# Altium PCB PCB1.PcbDoc (part 1 of 3)
Units mil, origin at the board's own origin, x right, y up, seen from the top; angles counter-clockwise.
Board outline 3150.03 x 1875.03 mil, 2 copper layers (Top Layer, Bottom Layer); 72 components, 86 nets, 315 pads, 165 vias.
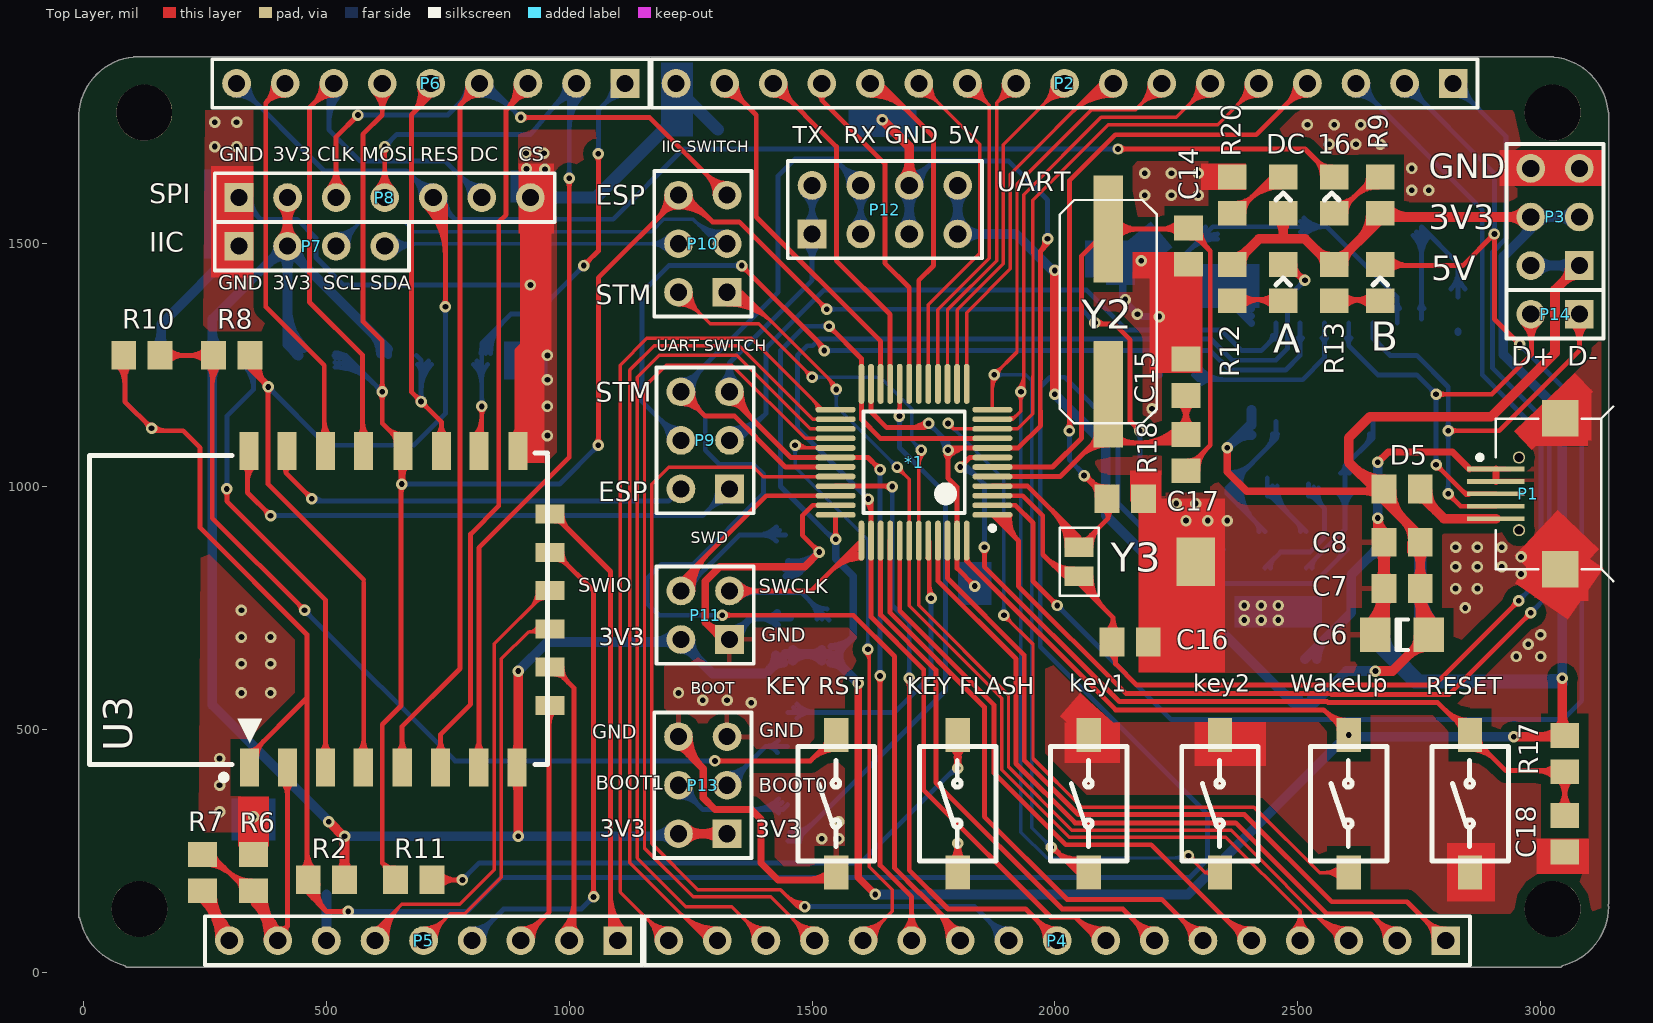
[diagram p0: Top Layer view]
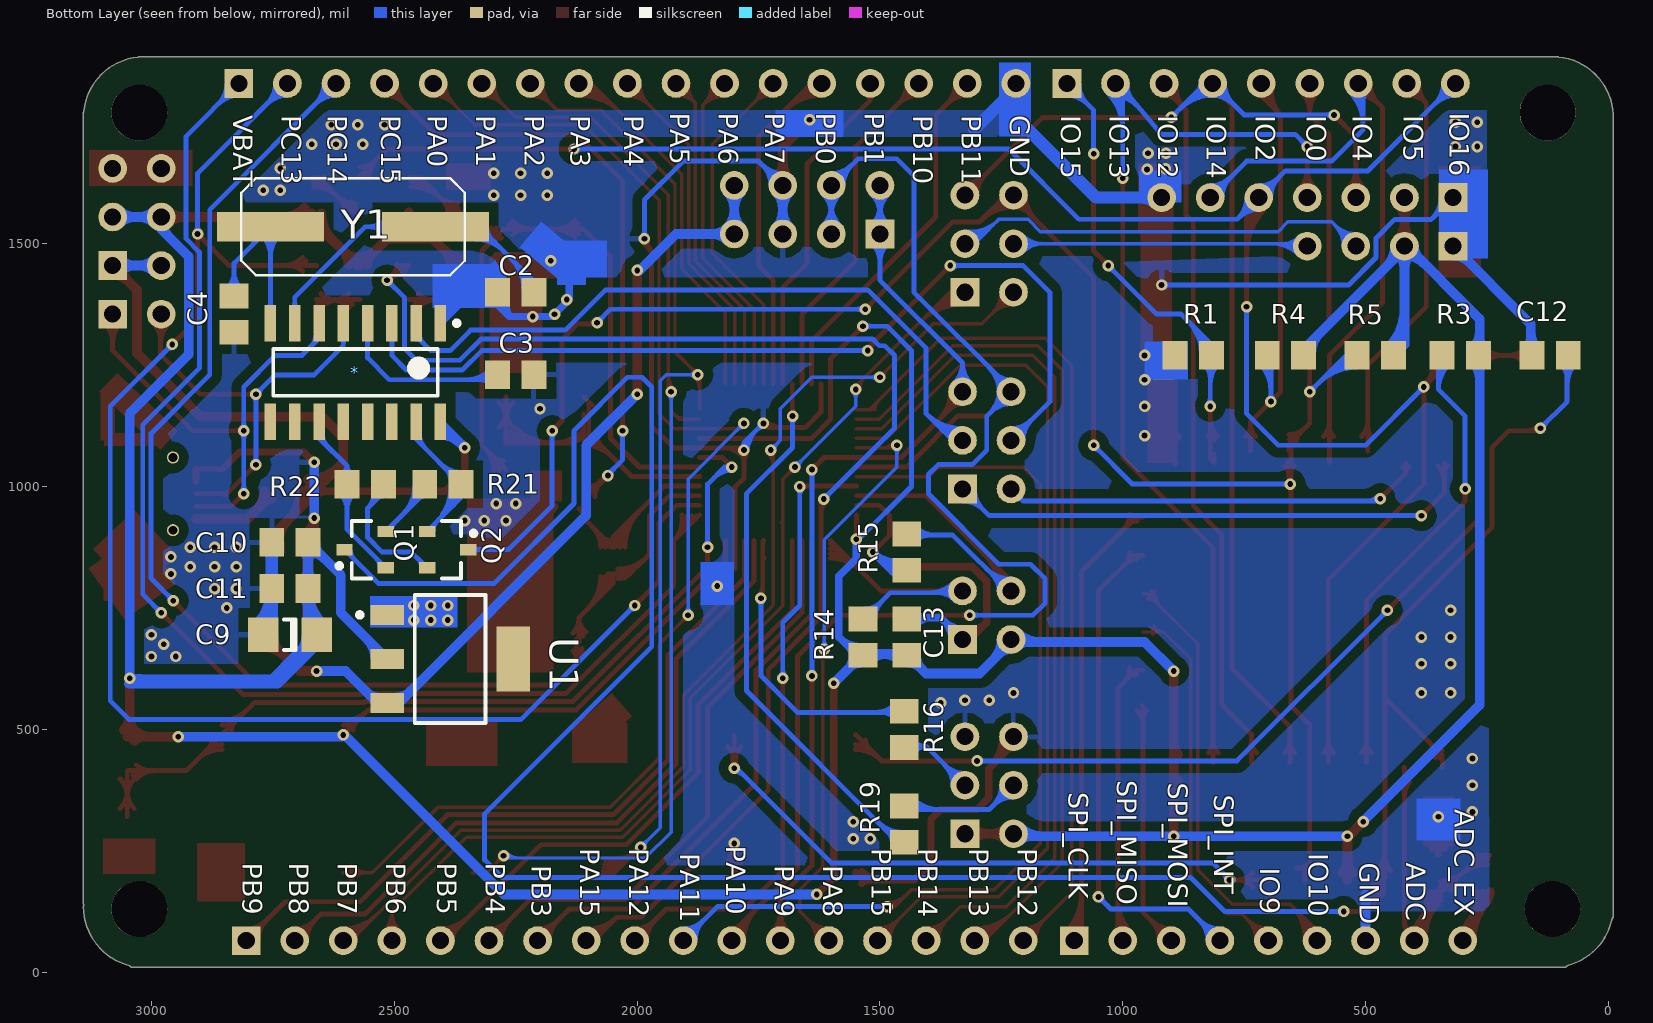
[diagram p1: Bottom Layer view, seen from below]

## Layer stack, top to bottom
Top Layer: signal copper 1.4
Dielectric: dielectric 12.6, FR-4, Dk 4.8
Bottom Layer: signal copper 1.4

## Board outline
85.19,13.59 cw(c115,135) -7.64,110.73 cw(c-5,115) -10.02,115 -10.02,1765 cw(c-5,1765) -9.86,1766.24 cw(c115,1760) 102.59,1884.4 cw(c105,1880) 105,1885.02 3025,1885.02 cw(c3025,1880) 3027.41,1884.4 cw(c3015,1760) 3139.4,1772.41 cw(c3135,1770) 3140.02,1770 3140.02,140 cw(c3135,140) 3139.35,137.5 cw(c3135,135) 3140.02,135 cw(c3015,135) 3044.81,13.59 cw(c3040,15) 3040,9.99 90,9.99 cw(c90,15)

## Design rules (kind name [scope] priority, off if disabled: settings)
Clearance Clearance_1 [InPolygon] p1: gap=20
Clearance [All] p2: gap=7
ComponentClearance [All] p1 off: gap=10 collisioncheckmode=3 verticalgap=10 showdistances=FALSE
PolygonConnect [All] p1: connectstyle=Relief reliefconductorwidth=10 reliefentries=4 polygonreliefangle="90 Angle"
RoutingVias [All] p1: holewidth=28 width=50 viastyle="Through Hole" minholewidth=28 minwidth=50 maxholewidth=28 maxwidth=50
SilkscreenOverComponentPads [All] p1: minsilkscreentomaskgap=10
SolderMaskExpansion [All] p1: expansion=4
Width VCC_USB [InNet('VCC_USB')] p1: maxlimit=100 minlimit=10 preferedwidth=20
Width 3v3 [InNet('VCC_3V3')] p2: maxlimit=20 minlimit=7 preferedwidth=15
Width VCC [InNet('VCC_5V')] p3: maxlimit=20 minlimit=7 preferedwidth=15
Width GND [InNet('GND')] p4: maxlimit=25 minlimit=10 preferedwidth=15
Width [All] p5: maxlimit=10 minlimit=7 preferedwidth=10
26 further rules are at their usual default settings.

## Components (designator, comment, footprint, x,y, rotation, side; value= is the part's Value field where it differs from the comment)
16 "BLUE" 2012[0805] 2575,1600 r90 top (schematic designator D3)
* "Component_1_1" SOIC127P600X170-16N 2580,1235 r270 bottom
*1 "stm32f103c8t6" LQFP-48_M 1710,1050 r180 top
A "LED0" 2012[0805] 2470,1420 r90 top
B "LED0" 2012[0805] 2670,1420 r90 top
C2 "Cap" 2012[0805] 2250,1400 r180 bottom
C3 "Cap Semi" 2012[0805] 2250,1230 r180 bottom
C4 "Cap" 2012[0805] 2830,1355 r90 bottom
C6 "Cap Semi" C1206 2715,695 r0 top
C7 "Cap Semi" 2012[0805] 2715,790 r0 top
C8 "Cap Semi" 2012[0805] 2715,885 r0 top
C9 "Cap Semi" C1206 2715,695 r0 bottom
C10 "Cap Semi" 2012[0805] 2715,885 r0 bottom
C11 "Cap Semi" 2012[0805] 2715,790 r0 bottom
C12 "100nF" 2012[0805] 120,1270 r0 bottom
C13 "Cap" 2012[0805] 1445,690 r270 bottom
C14 "Cap" 2012[0805] 2275,1495 r90 top
C15 "Cap" 2012[0805] 2270,1225 r270 top
C16 "Cap" 2012[0805] 2155,680 r180 top
C17 "Cap" 2012[0805] 2145,975 r180 top
C18 "Cap" 2012[0805] 3050,285 r90 top
D5 "1N4007" 2012[0805] 2715,995 r180 top
DC "LED0" 2012[0805] 2470,1600 r90 top (schematic designator D4)
key1 "SW-PB" KEY 2070,350 r270 top (schematic designator S3)
key2 "SW-PB" KEY 2340,350 r270 top (schematic designator S4)
"KEY FLASH" "KEY_RST/USER" KEY 1550,350 r270 top (schematic designator S1)
"KEY RST" "KEY_FLASH" KEY 1800,350 r270 top (schematic designator S2)
P1 "MicroUSB" Micro_USB 3035,985 r90 top
P2 "Header 17" HDR1X17 2820,1830 r180 top
P3 "Header 3X2" HDR2X3 3080,1455 r90 top
P4 "Header 17" HDR1X17 2805,65 r180 top
P5 "Header 9" HDR1X9 1100,65 r180 top
P6 "Header 9" HDR1X9 1115,1830 r180 top
P7 "Header 4" HDR1X4 320,1495 r0 top
P8 "Header 7" HDR1X7 320,1595 r0 top
P9 "Header 3X2" HDR2X3 1330,995 r90 top
P10 "Header 3X2" HDR2X3 1325,1400 r90 top
P11 "Header 2X2" HDR2X2 1330,685 r90 top
P12 "Header 4X2A" HDR2X4_CEN 1500,1520 r0 top
P13 "Header 3X2" HDR2X3 1325,285 r90 top
P14 "Header 2" HDR1X2 3080,1355 r180 top
Q1 "NPN" SOT23_L 2560,870 r0 bottom
Q2 "NPN" SOT23_L 2390,870 r180 bottom
R1 "12k" 2012[0805] 855,1270 r180 bottom
R2 "12k" 2012[0805] 500,190 r180 top
R3 "12k" 2012[0805] 305,1270 r0 bottom
R4 "12k" 2012[0805] 665,1270 r0 bottom
R5 "12k" 2012[0805] 480,1270 r0 bottom
R6 "100k(1%)" 2012[0805] 350,205 r270 top
R7 "220k(1%)" 2012[0805] 245,205 r270 top
R8 "0(NC)" 2012[0805] 305,1270 r0 top
R9 "470" 2012[0805] 2670,1600 r270 top
R10 "470" 2012[0805] 120,1270 r180 top
R11 "470" 2012[0805] 680,190 r180 top
R12 "Res2" 2012[0805] 2365,1420 r270 top
R13 "Res2" 2012[0805] 2575,1420 r270 top
R14 "Res2" 2012[0805] 1535,690 r90 bottom
R15 "Res2" 2012[0805] 1445,865 r90 bottom
R16 "Res2" 2012[0805] 1450,500 r270 bottom
R17 "Res2" 2012[0805] 3050,450 r270 top
R18 "Res2" 2012[0805] 2270,1070 r90 top
R19 "Res2" 2012[0805] 1450,305 r270 bottom
R20 "Res2" 2012[0805] 2365,1600 r90 top
R21 "Res2" 2012[0805] 2400,1005 r0 bottom
R22 "Res2" 2012[0805] 2560,1005 r180 bottom
RESET "SW-PB" KEY 2855,350 r270 top (schematic designator S6)
U1 "NCP1117ST33T3G" SOT-223 2385,645 r270 bottom
U3 "ESP_12_E" ESP_12F 125,735 r90 top
WakeUp "SW-PB" KEY 2605,350 r270 top (schematic designator S5)
Y1 "12MHZ" XTAL-HCM49 2485,1535 r0 bottom
Y2 "8MHz" XTAL-HCM49 2110,1460 r270 top
Y3 "32.768KHz" XTAL32-2 2050,815 r90 top

## Footprints (in the part's own frame and the unit in brackets; to place one, negate y for a bottom-side part, rotate by r counter-clockwise, add the part's x,y. Pads: shape width x height; smd on the part's side, far side on the other; paste and mask are expansions set on the pad)
2012[0805] [mm] "Chip Resistor; Body 2.0 x 1.3 mm (LxW typ)"
  rect 1.3x1.5 smd: 1(-0.95,0) 2(0.95,0)
C1206 [mm] "Chip Capacitor; Body 3.2 x 1.6 mm (LxW typ)"
  rect 1.6x1.8 smd: 1(-1.4,0) 2(1.4,0)
  silkscreen extent -0.3,-0.8 0.3,0.8
ESP_12F [mm]
  rect 2x1 smd: 1(-7.963,-5.512) 2(-7.963,-7.482) 3(-7.963,-9.482) 4(-7.963,-11.452) 5(-7.963,-13.492) 6(-7.963,-15.502) 7(-7.963,-17.492) 8(-7.963,-19.502) 15(8.583,-19.542) 16(8.583,-17.502) 17(8.583,-15.542) 18(8.583,-13.522) 19(8.583,-11.462) 20(8.583,-9.482) 21(8.583,-7.462) 22(8.583,-5.482)
  rect 1x1.524 smd: 9(-4.712,-21.222) 10(-2.713,-21.222) 11(-0.714,-21.222) 12(1.285,-21.222) 13(3.284,-21.222) 14(5.304,-21.222)
  silkscreen extent -8.63,-21.08 8.48,2.86
HDR1X2 [mm] "Connector; Header; 2 Position"
  rect 1.5x1.5 hole 0.9: 1(0,0)
  round 1.5 hole 0.9: 2(2.54,0)
  silkscreen extent -1.27,-1.27 3.81,1.27
HDR1X4 [mm] "Connector; Header; 4 Position"
  rect 1.5x1.5 hole 0.9: 1(0,0)
  round 1.5 hole 0.9: 2(2.54,0) 3(5.08,0) 4(7.62,0)
  silkscreen extent -1.27,-1.27 8.89,1.27
HDR1X7 [mm] "Connector; Header; 7 Position"
  rect 1.5x1.5 hole 0.9: 1(0,0)
  round 1.5 hole 0.9: 2(2.54,0) 3(5.08,0) 4(7.62,0) 5(10.16,0) 6(12.7,0) 7(15.24,0)
  silkscreen extent -1.27,-1.27 16.51,1.27
HDR1X9 [mm] "Connector; Header; 9 Position"
  rect 1.5x1.5 hole 0.9: 1(0,0)
  round 1.5 hole 0.9: 2(2.54,0) 3(5.08,0) 4(7.62,0) 5(10.16,0) 6(12.7,0) 7(15.24,0) 8(17.78,0) 9(20.32,0)
  silkscreen extent -1.27,-1.27 21.59,1.27
HDR1X17 [mm] "Connector; Header; 17 Position"
  rect 1.5x1.5 hole 0.9: 1(0,0)
  round 1.5 hole 0.9: 2(2.54,0) 3(5.08,0) 4(7.62,0) 5(10.16,0) 6(12.7,0) 7(15.24,0) 8(17.78,0) 9(20.32,0) 10(22.86,0) 11(25.4,0) 12(27.94,0) 13(30.48,0) 14(33.02,0) 15(35.56,0) 16(38.1,0) 17(40.64,0)
  silkscreen extent -1.27,-1.27 41.91,1.27
HDR2X2 [mm] "Connector; Header; 2x2 Position"
  rect 1.5x1.5 hole 0.9: 1(0,0)
  round 1.5 hole 0.9: 2(0,2.54) 3(2.54,0) 4(2.54,2.54)
  silkscreen extent -1.27,-1.27 3.81,3.81
HDR2X3 [mm] "Connector; Header; 3x2 Position"
  rect 1.5x1.5 hole 0.9: 1(0,0)
  round 1.5 hole 0.9: 2(0,2.54) 3(2.54,0) 4(2.54,2.54) 5(5.08,0) 6(5.08,2.54)
  silkscreen extent -1.27,-1.27 6.35,3.81
HDR2X4_CEN [mm] "Connector; Header; 4x2 Position"
  rect 1.5x1.5 hole 0.9: 1(0,0)
  round 1.5 hole 0.9: 2(2.54,0) 3(5.08,0) 4(7.62,0) 5(0,2.54) 6(2.54,2.54) 7(5.08,2.54) 8(7.62,2.54)
  silkscreen extent -1.27,-1.27 8.89,3.81
KEY [mil]
  rect 70x50 smd: 1(-138.46,0) 2(145,0)
  silkscreen extent -115,-79 121,79
LQFP-48_M [mm] "Thin QFP, 48-Leads, Body 7x7mm, Pitch 0.5mm, IPC Low Density"
  oval 2.1x0.3 smd: 1(-4.1,2.75) 2(-4.1,2.25) 3(-4.1,1.75) 4(-4.1,1.25) 5(-4.1,0.75) 6(-4.1,0.25) 7(-4.1,-0.25) 8(-4.1,-0.75) 9(-4.1,-1.25) 10(-4.1,-1.75) 11(-4.1,-2.25) 12(-4.1,-2.75) 25(4.1,-2.75) 26(4.1,-2.25) 27(4.1,-1.75) 28(4.1,-1.25) 29(4.1,-0.75) 30(4.1,-0.25) 31(4.1,0.25) 32(4.1,0.75) 33(4.1,1.25) 34(4.1,1.75) 35(4.1,2.25) 36(4.1,2.75)
  oval 0.3x2.1 smd: 13(-2.75,-4.1) 14(-2.25,-4.1) 15(-1.75,-4.1) 16(-1.25,-4.1) 17(-0.75,-4.1) 18(-0.25,-4.1) 19(0.25,-4.1) 20(0.75,-4.1) 21(1.25,-4.1) 22(1.75,-4.1) 23(2.25,-4.1) 24(2.75,-4.1) 37(2.75,4.1) 38(2.25,4.1) 39(1.75,4.1) 40(1.25,4.1) 41(0.75,4.1) 42(0.25,4.1) 43(-0.25,4.1) 44(-0.75,4.1) 45(-1.25,4.1) 46(-1.75,4.1) 47(-2.25,4.1) 48(-2.75,4.1)
  silkscreen extent -4.23,-2.65 2.65,3.57, body extent -3.5,-3.5 3.5,3.5, height 1.6
Micro_USB [mm] "5P Мщ?"
  rect 0.25x3 smd: 1(1.3,3.222) 2(0.65,3.222) 3(0,3.222) 4(-0.65,3.222) 5(-1.3,3.222)
  round 0.635 hole 0.457 unplated: MH1(1.9,2.014) MH2(-1.9,2.014)
  rect 1.9x1.9 smd: ""(-3.95,-0.136) ""(3.95,-0.136)
  silkscreen extent -4.57,-2.92 4.57,4.19
SOIC127P600X170-16N [mm] "SOIC, 16-Leads, Body 8.6x4.0mm (max), Pitch 1.27mm, IPC Medium Density"
  rect 1.9x0.6 smd: 1(-2.575,4.445) 2(-2.575,3.175) 3(-2.575,1.905) 4(-2.575,0.635) 5(-2.575,-0.635) 6(-2.575,-1.905) 7(-2.575,-3.175) 8(-2.575,-4.445) 9(2.575,-4.445) 10(2.575,-3.175) 11(2.575,-1.905) 12(2.575,-0.635) 13(2.575,0.635) 14(2.575,1.905) 15(2.575,3.175) 16(2.575,4.445)
  silkscreen extent -2.7,-4.3 1.22,5.42, body extent -1.98,-4.28 1.97,4.28, height 1.7
SOT23_L [mm] "SOT23, 3-Leads, Body 2.9x1.3mm, Pitch 0.95mm, Lead Span 2.3mm - Reverse Pinning, IPC High Density"
  rect 0.85x0.6 smd: 1(1.075,0) 2(-1.075,-0.95) 3(-1.075,0.95)
  silkscreen extent -0.3,-1.5 1.48,1.5, body extent -0.7,-1.5 0.7,1.5, height 1.1
SOT-223 [mm] "SOT-223/SC-73; 4 Leads; Body 6.7 x 7.3 mm, inc. leads (LxW max)"
  rect 1.05x1.75 smd: 1(-2.3,-3.3) 2(0,-3.3) 3(2.3,-3.3)
  rect 3.4x1.75 smd: 4(0,3.3)
  silkscreen extent -3.35,-4.85 3.35,1.85
XTAL32-2 [mil]
  rect 100x80 smd: 0(30,-240)
  rect 40x60 smd: 1(0,0) 2(60,0)
  silkscreen extent -40,-40 100,40
XTAL-HCM49 [mil]
  rect 220x60 smd: 1(-70,0) 2(270,0)
  silkscreen extent -130,-100 330,100, body extent -184,-102 384,102

## Part data
16: library part SMT_LED_0603, "SMT LED"
A B DC: "Typical INFRARED GaAs LED"
C2 C4 C13 C14 C15 C16 C17 C18: "Capacitor"
C3 C6 C7 C8 C9 C10 C11: "Capacitor (Semiconductor SIM Model)"
C12: library part SMT_C_0402, "Surface mount capacitor 0402"
D5: "1.0 Ampere General Purpose Rectifier"
key1 key2 RESET WakeUp: "Switch"
"KEY FLASH" "KEY RST": library part SMT_SW_PTS_820, "SMT Tactile ?Switch PTS 820 Series"
P1: library part "Header 5", "Header, 5-Pin"
P2 P4: "Header, 17-Pin"
P3 P9 P10 P13: "Header, 3-Pin, Dual row"
P5 P6: "Header, 9-Pin"
P7: "Header, 4-Pin"
P8: "Header, 7-Pin"
P11: "Header, 2-Pin, Dual row"
P12: "Header, 4-Pin, Dual row"
P14: "Header, 2-Pin"
Q1 Q2: "NPN Bipolar Transistor"
R1 R2 R3 R4 R5 R6 R7 R8 R9 R10 R11: library part SMT_R_0402, "Surface mount resistor 0402"
R12 R13 R14 R15 R16 R17 R18 R19 R20 R21 R22: "Resistor"
U1: library part NCP1117, "NCP1117, NCV1117. 1.0 A Low-Dropout Positive  Fixed and Adjustable  Voltage Regulators"
U3: "ESP-12 Wi-Fi Module by AI-Thinker"
Y1 Y2 Y3: library part XTAL, "Crystal Oscillator"

## Free pads (board coordinates)
  round 115 hole 115 unplated mask-300: 0(125,1770) 1(115,130) 2(3025,1770) 3(3025,130)

## Via types
v1: diameter 23.62, hole 11.81, Top Layer to Bottom Layer, tented both sides, 165 vias

## Nets (pads, with @x,y where several pads share a name; then routed paths per layer and width w, separated by ;. In a path a pad name is that pad's centre, name@x,y a point inside that pad or via, vN(x,y) a via of type N, cw(c..) or ccw(c..) an arc to the next point about the centre after c; other vN are vias at no path point)
ADC: P5.8 R6.2 R7.1 U3.2 | length 1565.1
  Top Layer w10: R7.1@245,240 265,240 335,170 350,170 350,140 ; R7.1@248.94,221.81 cw(c248.94,139.12) 307.41,197.59 ; R7.1@248.94,231.81 cw(c248.94,173.26) 290.34,214.66 ; R7.1@248.94,241.81 cw(c248.94,207.4) R7.1@273.27,231.73 ; R7.1@269.53,242.4 ccw(c286.26,242.4) R7.1@274.43,230.57 ; 296.13,208.87 ccw(c346.06,258.81) R6.2@346.06,188.19 ; 313.2,191.8 ccw(c346.06,224.67) R6.2@346.06,178.19 ; 317.04,187.96 cw(c296.67,167.6) R6.2@325.47,167.6 ; R6.2@344.14,147.86 cw(c341.8,140) 350,140 ; R6.2@344.57,168.52 ccw(c388.99,164.13) 357.43,132.57 ; R6.2@354.52,167.54 ccw(c416.19,161.44) 372.37,117.63 ; R6.2@355.86,147.86 ccw(c358.2,140) 350,140 ; R6.2@364.48,166.56 ccw(c443.39,158.75) 387.32,102.68 ; 364.81,125.19 cw(c313.76,74.14) P5.8@385.55,66.53 ; R6.2@374.43,165.57 ccw(c470.58,156.06) P5.8@402.26,87.74 ; P5.8@375.61,67.59 ccw(c286.99,76.98) 350,140 ; 379.62,110.38 cw(c340.54,71.3) P5.8@395.5,65.48 ; P5.8@381.68,81.31 ccw(c360.78,99.92) 384.16,115.28 ; P5.8@385,65 P5.8@400,65 P5.8@405,65 ; P5.8@389.15,74.66 ccw(c370.86,90.94) 391.32,104.39 ; 394.43,95.57 cw(c367.32,68.46) P5.8@405.44,64.42 ; P5.8@403.57,89.27 ccw(c406.3,107.82) 419.56,94.56 ; U3.2@409.18,391.43 cw(c384.11,366.36) 419.56,366.36 cw(c455.01,366.36) U3.2@429.94,391.43 ; P5.8@418.9,80.63 cw(c426.88,87.23) 419.56,94.56 ; U3.2@419.56,421.5 419.56,94.56 ; 350,140 P5.8@402.26,87.74 ; P5.8@402.26,87.74 402.26,67.49 P5.8@405,65 ; P5.8@405,65 405,80 419.56,94.56
ADC_EX: P5.9 R7.2 | length 677.3
  Top Layer w10: R7.2@239.53,167.89 ccw(c278.59,166.67) 250.96,139.04 ; R7.2@245,170 R7.2@245,145 ; R7.2@249.53,167.58 ccw(c310.29,165.69) 267.3,122.7 ; R7.2@259.52,167.27 ccw(c342,164.7) 283.65,106.35 ; 261,129 cw(c201.64,69.65) P5.9@285.49,65.69 ; R7.2@269.52,166.96 ccw(c373.7,163.71) P5.9@300,90 ; P5.9@275.5,66.16 ccw(c171.1,71.09) R7.2@245,145 ; 276.99,113.01 cw(c232.18,68.2) P5.9@295.48,65.21 ; P5.9@280.97,80.47 ccw(c258.47,98.76) 282.22,115.39 ; P5.9@288.73,74.16 ccw(c269.15,90.08) 289.82,104.54 ; 292.98,97.02 cw(c262.72,66.76) P5.9@305.47,64.74 ; P5.9@300,65 P5.9@300,90 ; R7.2@245,145 P5.9@300,90
BOOT0: *1.44 R16.1 | length 780.9
  Top Layer w10: *1.44@1738.89,852.51 cw(c1733.05,846.67) 1741.31,846.67 ; *1.44@1739.53,888.58 1741.31,886.8 1741.31,775 v1@1745,775 ; v1@1740,770 v1@1745,775 ; 1741.31,795.36 ccw(c1770.36,795.36) v1@1749.82,774.82 ; v1(1745,770) v1@1745,775
  Bottom Layer w10: R16.1@1450,535 1670,535 1745,610 v1@1745,775 ; R16.1@1461.43,544.89 ccw(c1485.3,568.77) 1485.3,535 ; R16.1@1468.5,522.84 cw(c1497.85,493.49) 1497.85,535 ; R16.1@1468.5,551.96 ccw(c1509.44,592.91) 1509.44,535 ; v1@1740.18,765.18 cw(c1728.56,753.56) 1745,753.56 cw(c1761.44,753.56) v1@1749.82,765.18
BOOT1: *1.20 R19.2 | length 1300.6
  Top Layer w10: v1@1675.18,1149.82 ccw(c1662.42,1162.58) 1680.47,1162.58 ; v1(1680,1145) 1680,1140 1680.47,1140.47 *1.20@1680.47,1211.42 ; 1680.47,1160.3 ccw(c1695.3,1160.3) v1@1684.82,1149.82
  Bottom Layer w10: R19.2@1450,270 1465,270 1775,580 1775,985 1680,1080 v1(1680,1145) ; R19.2@1453.94,278.19 ccw(c1453.94,324.67) 1486.8,291.8 ; R19.2@1453.94,288.19 ccw(c1453.94,358.81) 1503.87,308.87 ; R19.2@1474.53,267.6 cw(c1503.33,267.6) 1482.96,287.96 ; v1@1675.18,1140.18 cw(c1663.56,1128.56) 1680,1128.56 cw(c1696.44,1128.56) v1@1684.82,1140.18
EN: R3.2 U3.3 | length 1174.2
  Top Layer w10: v1@290.18,990.18 cw(c278.56,978.56) 295,978.56 cw(c311.44,978.56) v1@299.82,990.18 ; v1(295,995) 295,970 498,767 U3.3@498,432 ; U3.3@487.92,451.57 ccw(c463.57,475.92) 498,475.92 ; 498,477.36 ccw(c534.47,477.36) U3.3@508.68,451.57
  Bottom Layer w10: v1@290.18,999.82 ccw(c278.56,1011.44) 295,1011.44 ccw(c311.44,1011.44) v1@299.82,999.82 ; v1(295,995) 295,1145 350,1200 350,1255 R3.2@335,1270 ; R3.2@328.08,1251.26 cw(c278.07,1199.57) 350,1199.57 ; R3.2@335.04,1258.45 cw(c300.89,1223.16) 350,1223.16 ; 350,1234.7 cw(c373.77,1234.7) R3.2@356.96,1251.5
GND: "KEY FLASH.2" "KEY RST.2" *1.8 *1.23 *1.35 *1.47 *.1 C2.1 C3.2 C4.1 C6.1 C7.1 C8.1 C9.2 C10.2 C11.2 C12.2 C13.1 C14.1 C15.1 C16.1 C17.1 C18.1 key1.1 key2.1 P1. P1.1 P1.2 P2.17 P3.5 P3.6 P5.7 P7.1 P8.1 P8.7 P11.1 P12.3 P12.7 P13.5 P13.6 R1.1 R6.1 R15.1 R20.2 RESET.2 U1.1 U3.15 Y3.0 | length 11842.2
  Top Layer w10: v1(1515,865) 1480,900 1480,940 1501.42,961.42 *1.35@1548.58,961.42 ; *1.23@1621.42,1211.42 1621.42,1153.58 1653.81,1121.19 1731.19,1121.19 ; v1(1740,1130) 1731.19,1121.19 ; v1@1775.18,1065.18 cw(c1763.56,1053.56) 1780,1053.56 cw(c1796.44,1053.56) 1784.82,1065.18 cw(c1819.44,1030.56) 1819.44,1079.53 ; v1@1777.29,1073.32 ccw(c1786.78,1079.22) 1792.36,1069.54 ; v1@1777.75,1072.25 cw(c1795.3,1054.7) 1795.3,1079.53 ; v1@1782.32,1076.4 ccw(c1788.66,1093.95) 1797.99,1077.79 ; v1@1785.62,1078.85 ccw(c1791.97,1083.22) 1795.83,1076.54 ; v1@1785.78,1078.6 ccw(c1795.56,1084.68) 1801.32,1074.71 ; v1(1835,795) 1798.58,831.42 *1.47@1798.58,888.58 1798.58,998.8 1780,1017.38 v1(1780,1075) 1784.53,1079.53 *1.8@1871.42,1079.53 1924.53,1079.53 1970.5,1125.5 1970.5,1155.83 1970,1156.33 1970,1221.11 1970.5,1221.61 1970.5,1485 ; v1@1978.27,1508.93 cw(c1950.91,1504.59) 1970.5,1485 ; v1@1985,1505 1985,1499.5 1970.5,1485 ; P1.1@2853.82,1036.18 P1.1@2908.15,1036.18 ; 1503.37,876.63 cw(c1491.75,865) v1@1508.19,865 ; 1503.37,876.63 ccw(c1515,888.25) v1@1515,871.81 ; 1503.37,876.63 ccw(c1515,888.25) v1@1515,871.81 ; 1503.37,876.63 cw(c1491.75,865) v1@1508.19,865 ; 1503.37,876.63 ccw(c1515,888.25) v1@1515,871.81 ; 1503.37,876.63 cw(c1491.75,865) v1@1508.19,865 ; 1702.29,1121.19 ccw(c1702.29,1167.71) v1@1735.18,1134.82 ; 1702.29,1121.19 ccw(c1702.29,1167.71) v1@1735.18,1134.82 ; 1702.29,1121.19 ccw(c1702.29,1167.71) v1@1735.18,1134.82 ; 1717.62,1124.67 cw(c1726.63,1109.06) v1@1736.34,1124.26 ; 1717.62,1124.67 cw(c1726.63,1109.06) v1@1736.34,1124.26 ; 1717.62,1124.67 cw(c1726.63,1109.06) v1@1736.34,1124.26 ; 1726.43,1121.19 ccw(c1726.43,1143.57) v1@1742.25,1127.75 ; 1726.43,1121.19 ccw(c1726.43,1143.57) v1@1742.25,1127.75 ; 1726.43,1121.19 ccw(c1726.43,1143.57) v1@1742.25,1127.75 ; 1731.19,1121.19 cw(c1736.84,1115.54) v1@1738.55,1123.35 ; 1731.19,1121.19 ccw(c1725.54,1126.84) v1@1733.35,1128.55 ; 1731.19,1121.19 ccw(c1725.54,1126.84) v1@1733.35,1128.55 ; 1731.19,1121.19 cw(c1736.84,1115.54) v1@1738.55,1123.35 ; 1731.19,1121.19 ccw(c1725.54,1126.84) v1@1733.35,1128.55 ; 1731.19,1121.19 cw(c1736.84,1115.54) v1@1738.55,1123.35 ; 1780,1058.56 ccw(c1763.56,1058.56) 1775.18,1070.18 cw(c1763.56,1058.56) 1780,1058.56 ; 1780,1058.56 cw(c1796.44,1058.56) v1@1784.82,1070.18 ; 1780,1058.56 cw(c1796.44,1058.56) v1@1784.82,1070.18 ; v1@1784.82,1070.18 cw(c1807.37,1047.63) 1807.37,1079.53 ccw(c1807.37,1047.63) v1@1784.82,1070.18 ; 1823.37,806.63 ccw(c1835,818.25) 1835,801.81 cw(c1835,818.25) 1823.37,806.63 ; 1823.37,806.63 cw(c1811.75,795) 1828.19,795 ccw(c1811.75,795) 1823.37,806.63 ; 1970.5,1485 ccw(c1951.87,1503.63) 1978.19,1504.72 cw(c1951.87,1503.63) 1970.5,1485
  Top Layer w15: R6.1@337.21,255.19 ccw(c306.33,286.08) 350,286.08 ccw(c393.67,286.08) R6.1@362.79,255.19 ; R6.1@350,242.4 v1(350,320) ; U3.15@885.75,1101.22 ccw(c863.4,1123.56) 895,1123.56 ; U3.15@892.5,1049 895,1051.5 895,1280 925,1310 925,1590 P8.7@920,1595 ; 895,1120.48 ccw(c922.24,1120.48) U3.15@902.98,1101.22 ; P8.7@904.42,1579.42 cw(c854.75,1529.75) 925,1529.75 ; v1@916.95,1411.95 cw(c897.52,1392.52) 925,1392.52 ; v1@916.95,1418.05 ccw(c897.52,1437.48) 925,1437.48 ; 925,1553.89 cw(c961.11,1553.89) P8.7@935.58,1579.42 ; P13.6@1225,462.97 cw(c1225,446.01) 1237,458 ; P13.6@1225,485 1225,470 1276.1,418.9 1276.1,358.9 1300,335 1375,335 1395,315 1395,225 1430,190 1535,190 1550,205 ; P13.6@1232.03,485 ccw(c1285.21,485) 1247.6,447.4 ; P13.6@1247.03,485 ccw(c1336.42,485) 1273.21,421.79 ; 1299.54,700.46 ccw(c1321.95,722.88) P11.1@1328.54,691.87 ; P11.1@1303,697 cw(c1291.01,685) P11.1@1307.97,685 ; P11.1@1325,680 P11.1@1330,685 1315,685 1280,720 ; P11.1@1325.42,706.55 cw(c1315.1,755.1) 1280,720 ; 1495.68,190 ccw(c1495.68,249.32) 1537.63,207.37 ; v1(1515,865) 1485,835 1310,835 1280,805 1280,720 ; 1519.82,190 cw(c1519.82,164.82) 1537.63,182.63 ; 1787.63,227.37 ccw(c1757.75,257.25) 1800,257.25 ccw(c1842.25,257.25) 1812.37,227.37 ; 1800,205 v1(1800,265) ; C17.1@2169.61,958.27 cw(c2114.59,903.25) 2192.4,903.25 ; C17.1@2170,987.4 C17.1@2180,977.4 ; C16.1@2179.61,696.73 ccw(c2148.73,727.61) 2192.4,727.61 ccw(c2236.08,727.61) C16.1@2205.19,696.73 ; C17.1@2180,995 C17.1@2180,977.4 ; C17.1@2180.22,968.88 cw(c2150.8,939.46) 2192.4,939.46 ; C17.1@2182.4,975 C17.1@2180,977.4 ; C17.1@2190,987.4 C17.1@2180,977.4 ; 2190.01,1475 2290,1475 C14.1@2270,1455 ; C16.1@2192.4,680 2192.4,957.6 C17.1@2186.2,963.8 ; 2195,1475 cw(c2195,1393.85) C14.1@2257.2,1445.98 ; C17.1@2200,977.6 C17.1@2186.2,963.8 ; 2227.15,1475 cw(c2227.15,1420.79) C14.1@2268.69,1455.61 ; C15.1@2257.21,1275.19 ccw(c2226.33,1306.08) 2270,1306.08 ; C14.1@2258.27,1444.81 cw(c2229.95,1416.49) 2270,1416.49 2270,1306.08 ; C15.1@2270,1260 C15.1@2270,1262.4 ; 2270,1411.36 cw(c2317.3,1411.36) C14.1@2283.85,1444.81 ; C15.1@2282.79,1275.19 cw(c2313.67,1306.08) 2270,1306.08 ; C8.1@2665,897.6 C8.1@2677.6,885 ; v1(2665,1050) 2686.31,1071.31 2818.69,1071.31 P1.1@2853.82,1036.18 ; P1.2@2908.15,1010.59 P1.1@2908.15,1036.18 ; C17.1@2180,977.4 2180,970 C17.1@2186.2,963.8
  Top Layer w20: v1@1642.5,1757.5 v1(1645,1755) 1700,1700 P12.7@1700,1620 ; P12.7@1686.19,1633.81 ccw(c1652.86,1667.14) 1700,1667.14 ccw(c1747.14,1667.14) P12.7@1713.81,1633.81 ; C8.1@2665,897.6 v1(2665,935) ccw(c2701.14,935) C8.1@2684.69,902.82
  Top Layer w25: P7.1@307.96,1507.04 ccw(c278.89,1536.11) 320,1536.11 ccw(c361.11,1536.11) P7.1@332.04,1507.04 ; P8.1@307.96,1582.96 cw(c278.89,1553.89) 320,1553.89 cw(c361.11,1553.89) P8.1@332.04,1582.96 ; P7.1@320,1495 P8.1@320,1595 ; C6.1@2646.45,712.37 ccw(c2571.25,787.57) C7.1@2677.6,787.57 ; C6.1@2659.88,695 2677.6,712.72 C7.1@2677.6,790 C8.1@2677.6,885 ; C6.1@2664.13,694.69 ccw(c2631.61,727.21) C6.1@2677.6,727.21 ; C7.1@2668.34,776.81 cw(c2646,754.46) 2677.6,754.46 cw(c2709.2,754.46) C7.1@2686.85,776.81 ; C7.1@2668.34,803.19 ccw(c2646,825.54) 2677.6,825.54 ccw(c2709.2,825.54) C7.1@2686.85,803.19 ; C8.1@2668.34,871.81 cw(c2646,849.46) 2677.6,849.46 cw(c2709.2,849.46) C8.1@2686.85,871.81
  Bottom Layer w10: P8.1@320,1570.47 cw(c320,1511.26) 361.87,1553.13 cw(c403.74,1595) P8.1@344.53,1595 ; P8.1@320,1580.47 cw(c320,1545.4) 344.8,1570.2 cw(c369.6,1595) P8.1@334.53,1595 ; P8.1@320,1595 365,1550 440,1550 478.47,1511.53 478.47,1471.53 535,1415 v1(920,1415) v1@925,1415 ; v1@915.18,1410.18 ccw(c903.56,1398.56) 903.56,1415 ccw(c903.56,1431.44) v1@915.18,1419.82 ; v1@920.18,1410.18 ccw(c908.56,1398.56) 908.56,1415 ccw(c908.56,1431.44) v1@920.18,1419.82 ; P12.7@1700,1620 1750,1670 1905,1670 1985,1590 v1(1985,1510) v1@1985,1505 ; P12.7@1700,1634.53 ccw(c1700,1669.6) 1724.8,1644.8 ccw(c1749.6,1620) P12.7@1714.53,1620 ; P12.7@1700,1644.53 ccw(c1700,1703.74) 1741.87,1661.87 ccw(c1783.74,1620) P12.7@1724.53,1620 ; v1(1740,1130) 1780,1090 ; 1765.28,1104.52 ccw(c1802.86,1114.59) v1@1783.41,1080.9 ; 1767.34,1096.84 ccw(c1800.65,1105.76) v1@1783.41,1075.9 ; 1770.78,1088.52 cw(c1762.84,1080.58) v1@1773.52,1077.11 ; v1@1775.18,1074.82 ccw(c1763.56,1086.44) 1780,1086.44 ccw(c1796.44,1086.44) v1@1784.82,1074.82 ; v1(1780,1075) 1780,1090 ; v1@1980.18,1514.82 ccw(c1968.56,1526.44) 1985,1526.44 ccw(c2001.44,1526.44) v1@1989.82,1514.82 ; v1@1740,1123.19 cw(c1740,1106.75) 1751.63,1118.37 ; v1@1740,1123.19 cw(c1740,1106.75) 1751.63,1118.37 ; v1@1740,1123.19 cw(c1740,1106.75) 1751.63,1118.37 ; v1@1746.81,1130 ccw(c1763.25,1130) 1751.63,1118.37 ; v1@1746.81,1130 ccw(c1763.25,1130) 1751.63,1118.37 ; v1@1746.81,1130 ccw(c1763.25,1130) 1751.63,1118.37 ; 1780,1090 ccw(c1793.11,1090) 1784.48,1080.13 cw(c1793.11,1090) 1780,1090 ; 1780,1090 cw(c1766.89,1090) 1775.52,1080.13 ccw(c1766.89,1090) 1780,1090 ; v1@1985,1521.44 cw(c1968.56,1521.44) 1980.18,1509.82 ccw(c1968.56,1521.44) v1@1985,1521.44 ; v1@1985,1521.44 ccw(c2001.44,1521.44) 1989.82,1509.82 cw(c2001.44,1521.44) v1@1985,1521.44 ; 1757.77,1112.23 cw(c1720.53,1075) 1773.19,1075 ccw(c1720.53,1075) 1757.77,1112.23 ; 1774.84,1095.16 cw(c1754.67,1075) 1783.19,1075 ccw(c1754.67,1075) 1774.84,1095.16
  Bottom Layer w15: P11.1@1330,685 1375,730 C13.1@1455,730 ; P11.1@1330,707.03 ccw(c1330,760.21) 1367.6,722.6 ccw(c1405.21,685) P11.1@1352.03,685 ; 1391.12,730 cw(c1391.12,677.45) C13.1@1428.27,714.61 ; 1403.66,730 ccw(c1403.66,764.8) C13.1@1428.27,740.19 ; R15.1@1445,830 1480,830 ; R15.1@1446.8,815.88 ccw(c1452.41,846.66) 1474.54,824.54 ; R15.1@1449.49,830.64 ccw(c1458.66,880.88) 1494.77,844.77 ; R15.1@1452.18,845.4 ccw(c1464.9,915.1) v1(1515,865) 1480,830 ; R15.1@1463.5,838.33 ccw(c1480,850.5) 1480,830 ; R15.1@1465.57,820.48 cw(c1480,814.3) 1480,830 ; 2140,1445 2140,1385 2175,1350 2263.5,1350 2287.4,1373.9 C2.1@2287.4,1395 ; C3.2@2210,1230 C3.2@2212.6,1230 C3.2@2215,1230 ; 2262.4,1350.7 ccw(c2216.26,1380.24) C2.1@2269.74,1392.14 ; 2274.32,1360.82 ccw(c2247.87,1387.27) C2.1@2284.38,1395.39 ; C2.1@2287.4,1400 C2.1@2287.4,1395 ; C2.1@2300.19,1383.27 cw(c2328.51,1354.95) 2328.51,1395 ; C2.1@2300.19,1408.85 ccw(c2333.64,1442.3) 2333.64,1395 ; 2353.95,1387.42 ccw(c2405,1438.47) *.1@2405,1366.28 ; 2379.56,1361.82 ccw(c2405,1387.25) *.1@2405,1351.28 ; *.1@2405,1336.38 2346.38,1395 C2.1@2287.4,1395 ; C4.1@2830,1317.6 C4.1@2830,1320
  Bottom Layer w20: C12.2@146.38,1284.96 ccw(c113.49,1317.85) 160,1317.85 ; 160,1305.3 ccw(c188.77,1305.3) C12.2@168.43,1284.96 ; C12.2@170,1270 160,1280 160,1335 P7.1@320,1495 ; P7.1@300.47,1495 cw(c253.33,1495) 286.66,1461.66 cw(c320,1428.33) P7.1@320,1475.47 ; P5.7@500,65 500,160 ; P12.3@1686.19,1533.81 ccw(c1652.86,1567.14) 1700,1567.14 ccw(c1747.14,1567.14) P12.3@1713.81,1533.81 ; P12.7@1686.19,1606.19 cw(c1652.86,1572.86) 1700,1572.86 cw(c1747.14,1572.86) P12.7@1713.81,1606.19 ; P12.3@1700,1520 P12.7@1700,1620 ; v1(2665,935) v1(2665,1050)
  Bottom Layer w25: P8.7@920,1595 1055,1595 1220,1760 P2.17@1220,1830 ; P8.7@932.04,1582.96 cw(c961.11,1553.89) 961.11,1595 cw(c961.11,1636.11) P8.7@932.04,1607.04 ; P2.17@1207.96,1817.96 cw(c1178.89,1788.89) 1220,1788.89 cw(c1261.11,1788.89) P2.17@1232.04,1817.96 ; 1210.57,1750.57 ccw(c1186.14,1775) 1220.69,1775 ; P2.17@1211,1830 1306,1735 ; C11.2@2743.15,776.81 cw(c2720.8,754.46) 2752.4,754.46 cw(c2784,754.46) C11.2@2761.66,776.81 ; C11.2@2743.15,803.19 ccw(c2720.8,825.54) 2752.4,825.54 ccw(c2784,825.54) C11.2@2761.66,803.19 ; C10.2@2743.15,871.81 cw(c2720.8,849.46) 2752.4,849.46 cw(c2784,849.46) C10.2@2761.66,871.81 ; C9.2@2752.4,727.21 ccw(c2798.39,727.21) C9.2@2765.87,694.69 ; C11.2@2752.4,787.57 ccw(c2858.75,787.57) C9.2@2783.55,712.37 ; C10.2@2752.4,885 C11.2@2752.4,790 2752.4,712.72 C9.2@2770.12,695
  other v1: 1520,275 1555,275 1555,310 280,330 280,385 280,440 1375,555 1275,560 1325,560 325,575 385,575 1225,575 325,635 385,635 2950,650 3000,650 2975,675 325,690 385,690 3000,695 2390,725 2425,725 2460,725 325,745 2845,750 2390,755 2425,755 2460,755 2825,790 2870,790 2960,820 2825,835 2870,835 2920,835 2960,855 2825,875 2870,875 2920,875 2270,930 2315,930 2355,930 2250,965 2290,965 955,1105 2200,1160 955,1165 955,1220 955,1270 2215,1350 2170,1355 2145,1385 2178,1465 2185,1600 2240,1600 2295,1600 2735,1610 2770,1610 2185,1645 2240,1645 2295,1645 950,1653 912,1654 2735,1655 911,1686 948,1686 270,1700 315,1700 2565,1705 2620,1705 2670,1705 2520,1745 2575,1745 2630,1745 270,1750 315,1750
GPIO0: P6.6 P10.6 Q2.1 R5.2 R11.2 U3.18 | length 5812.5
  Top Layer w10: P6.6@597.66,1812.66 cw(c555.79,1770.79) 615,1770.79 cw(c674.21,1770.79) P6.6@632.34,1812.66 ; P6.6@604.73,1819.73 cw(c579.93,1794.93) 615,1794.93 cw(c650.07,1794.93) P6.6@625.27,1819.73 ; v1@610.18,1190.18 cw(c598.56,1178.56) 615,1178.56 cw(c631.44,1178.56) v1@619.82,1190.18 ; v1@610.18,1199.82 ccw(c598.56,1211.44) 615,1211.44 ccw(c631.44,1211.44) v1@619.82,1199.82 ; P6.6@615,1830 615,1765 575,1725 575,1340 615,1300 v1(615,1195) 615,1130 U3.18@653.5,1091.5 ; R11.2@622.54,198.6 ccw(c595.02,205.01) 615,225 ; 623.82,1121.18 ccw(c657.35,1154.72) U3.18@657.35,1107.29 ; R11.2@625,190 625,215 615,225 ; 635.79,1109.21 cw(c619.19,1092.61) U3.18@642.67,1092.61 ; U3.18@640.89,1104.11 ccw(c657.35,1120.58) U3.18@657.35,1097.29 ; R11.2@641.79,214.51 cw(c640.39,250.38) 615,225 ; U3.18@646.97,1042.85 cw(c631.21,1027.09) 653.5,1027.09 ; v1@650.18,1000.18 cw(c642.18,992.18) 653.5,992.18 ; v1@650.18,1009.82 ccw(c642.18,1017.82) 653.5,1017.82 ; 653.5,984.94 cw(c675.06,984.94) v1@659.82,1000.18 ; v1@653.5,1008.48 cw(c702.11,1008.48) U3.18@667.74,1042.85 ; 653.5,1025.06 ccw(c675.06,1025.06) v1@659.82,1009.82 ; 653.5,1032.62 cw(c677.97,1032.62) U3.18@660.67,1049.92 ; U3.18@657.35,1072.92 657.35,1087.65 U3.18@653.5,1091.5 ; 658.45,1026.97 ccw(c682.08,1020.64) v1@660.9,1008.41 ; v1@1055.18,1089.82 ccw(c1043.56,1101.44) 1060,1101.44 ccw(c1076.44,1101.44) v1@1064.82,1089.82 ; v1(1060,1085) 1060,1430 1225,1595 P10.6@1225,1600 1240,1600 1295,1545 1350,1545 v1(1530,1365) ; 1179.59,1549.59 ccw(c1129.19,1600) P10.6@1200.47,1600 ; 1191.66,1561.66 cw(c1225,1528.33) 1225,1575.47 cw(c1225,1480.04) 1292.48,1547.52 ; 1196.66,1566.66 ccw(c1163.33,1600) P10.6@1210.47,1600 ; P10.6@1225,1585.47 cw(c1225,1514.19) 1275.41,1564.59 ; P10.6@1225,1595.47 cw(c1225,1548.33) 1258.34,1581.66 ; P10.6@1249.53,1600 ccw(c1272.53,1600) 1256.26,1583.74 ; v1@1523.19,1365 ccw(c1506.75,1365) 1518.37,1376.63 ccw(c1530,1388.25) v1@1530,1371.81 ; v1(2082.5,1337.5) 2085,1335 2121.97,1335 2155,1301.97 2155,1135 v1(2175,1115) ; v1@2087.32,1342.32 ccw(c2104.98,1359.98) 2104.98,1335 ; v1@2168.19,1115 ccw(c2151.75,1115) 2163.37,1126.63 ccw(c2175,1138.25) v1@2175,1121.81 ; 615,225 615,510 653.5,548.5 U3.18@653.5,1091.5
  Bottom Layer w10: R5.2@515,1270 R5.2@517.4,1270 540,1270 v1(615,1195) ; R5.2@517.4,1245.47 cw(c517.4,1131.7) 597.85,1212.15 ; R5.2@517.4,1255.47 cw(c517.4,1165.84) 580.78,1229.22 ; R5.2@517.4,1265.47 cw(c517.4,1199.98) 563.71,1246.29 ; R5.2@517.4,1275.47 cw(c517.4,1234.13) 546.64,1263.36 ; v1@608.19,1195 ccw(c591.75,1195) 603.37,1206.63 ccw(c615,1218.25) v1@615,1201.81 ; v1@653.5,1005 v1(655,1005) 980,1005 v1(1060,1085) ; v1@659.82,1000.18 cw(c671.44,988.56) 671.44,1005 cw(c671.44,1021.44) v1@659.82,1009.82 ; v1@1053.19,1085 cw(c1036.75,1085) 1048.37,1073.37 cw(c1060,1061.75) v1@1060,1078.19 ; v1(1530,1365) 2055,1365 v1(2082.5,1337.5) ; v1@1534.82,1360.18 cw(c1546.44,1348.56) 1546.44,1365 cw(c1546.44,1381.44) v1@1534.82,1369.82 ; v1@2075.69,1337.5 ccw(c2059.25,1337.5) 2070.87,1349.13 ccw(c2082.5,1360.75) v1@2082.5,1344.31 ; v1@2170.18,1110.18 cw(c2158.56,1098.56) 2175,1098.56 cw(c2191.44,1098.56) v1@2179.82,1110.18 ; v1(2175,1115) 2175,960 2265,870 Q2.1@2347.68,870 ; Q2.1@2337.94,865.18 ccw(c2326.31,853.56) 2326.31,870 ccw(c2326.31,886.44) Q2.1@2337.94,874.82
GPIO2: P6.5 R4.2 U3.17 | length 1309
  Top Layer w10: 687.44,1777.44 ccw(c651.09,1813.79) P6.5@700.92,1826.43 ; v1@688.19,1175 ccw(c671.75,1175) 683.37,1186.63 ccw(c695,1198.25) v1@695,1181.81 ; P6.5@691.23,1823.97 cw(c631.25,1808.75) 675,1765 ; v1@695,1168.19 cw(c695,1151.75) 706.63,1163.37 cw(c718.25,1175) v1@701.81,1175 ; 699.88,1789.88 ccw(c670.94,1818.82) P6.5@710.61,1828.89 ; P6.5@715,1830 715,1805 675,1765 ; U3.17@726.5,1102.99 ccw(c701.43,1128.06) 736.88,1128.06 ccw(c772.33,1128.06) U3.17@747.27,1102.99 ; U3.17@736.88,1072.92 736.88,1133.12 v1(695,1175) 675,1195 675,1765
  Bottom Layer w10: R4.2@685,1270 695,1260 v1(695,1175) ; R4.2@687.84,1251.5 cw(c670.56,1234.22) 695,1234.22 ; v1@690.18,1179.82 ccw(c678.56,1191.44) 695,1191.44 ccw(c711.44,1191.44) v1@699.82,1179.82 ; 695,1198.48 cw(c769.98,1198.48) R4.2@716.96,1251.5 ; 695,1222.63 cw(c745.84,1222.63) R4.2@709.89,1258.57
GPIO4: P6.7 P8.6 U3.19 | length 1853.9
  Top Layer w10: P6.7@490.47,1830 cw(c431.26,1830) 473.13,1788.13 cw(c515,1746.26) P6.7@515,1805.47 ; P6.7@500.47,1830 cw(c465.4,1830) 490.2,1805.2 cw(c515,1780.4) P6.7@515,1815.47 ; P6.7@515,1830 465,1780 465,1380 574.5,1270.5 U3.19@574.5,1049 ; U3.19@565.87,1102.99 ccw(c545.03,1123.83) 574.5,1123.83 ; 574.5,1132.29 ccw(c615.93,1132.29) U3.19@586.64,1102.99
  Bottom Layer w10: P6.7@497.66,1812.66 cw(c479.93,1794.93) 505,1794.93 cw(c550.07,1794.93) P6.7@518.2,1826.8 ; 505,1746.64 cw(c598.36,1746.64) P6.7@532.34,1812.66 ; 505,1770.79 cw(c574.21,1770.79) P6.7@525.27,1819.73 ; P6.7@515,1830 505,1820 505,1735 570,1670 745,1670 P8.6@820,1595 ; P8.6@795.47,1595 ccw(c736.26,1595) 778.13,1636.87 ccw(c820,1678.74) P8.6@820,1619.53 ; P8.6@805.47,1595 ccw(c770.4,1595) 795.2,1619.8 ccw(c820,1644.6) P8.6@820,1609.53
GPIO5: P6.8 U3.20 | length 1017.3
  Top Layer w10: P6.8@390.49,1829.19 cw(c337.55,1827.45) 375,1790 ; P6.8@400.48,1829.52 cw(c369.13,1828.49) 391.31,1806.31 cw(c413.49,1784.13) P6.8@414.52,1815.48 ; P6.8@414.19,1805.49 ccw(c412.45,1752.55) 375,1790 ; P6.8@415,1830 375,1790 ; U3.20@487.92,1102.99 ccw(c469.6,1121.3) 495.5,1121.3 ; U3.20@495.5,1072.92 495.5,1249.5 375,1370 375,1790 ; 495.5,1134.82 ccw(c540.51,1134.82) U3.20@508.68,1102.99
GPIO9: P5.5 U3.11 | length 1014.4
  Top Layer w7: P5.5@700,65 755,120 785,120 860,195 860,645 915.4,700.4 ; P5.5@700,84.03 ccw(c700,129.96) 732.48,97.48 ccw(c764.96,65) P5.5@719.03,65 ; P5.5@700,91.03 ccw(c700,153.86) 744.43,109.43 ccw(c788.86,65) P5.5@726.03,65 ; 926.14,700.4 ccw(c926.14,717.5) U3.11@941.78,710.6 ; 926.8,700.4 cw(c926.8,683.52) U3.11@938.74,695.46 ; U3.11@935.37,713.43 cw(c915.4,722.22) 915.4,700.4 ; U3.11@958.5,700.4 915.4,700.4
GPIO10: P5.6 U3.12 | length 1325.5
  Top Layer w7: P5.6@598.03,64.92 cw(c637.92,66.46) 609.69,94.69 ; P5.6@600,65 600,85 655,140 ; P5.6@600,91.03 ccw(c600,105.58) 610.29,95.29 ; P5.6@605.02,65.19 cw(c659.73,67.31) 621.02,106.02 ; P5.6@612.02,65.46 cw(c681.54,68.15) 632.34,117.34 ; P5.6@619.01,65.73 cw(c703.35,68.99) 643.67,128.67 ; P5.6@626.01,66 cw(c725.16,69.83) 655,140 ; 918.72,748.72 ccw(c881.85,785.6) U3.12@934,785.6 ; 930.67,760.67 ccw(c905.75,785.6) U3.12@941,785.6 ; 931.8,761.8 cw(c950.18,743.42) U3.12@950.18,769.42 ; U3.12@958.5,779.1 949.1,779.1 846,676 846,211 775,140 655,140
GPIO12: P6.3 U3.6 | length 1654.3
  Top Layer w10: U3.6@724.92,451.57 ccw(c700.6,475.9) 735,475.9 ; U3.6@735,432 735,490 797,552 797,902 855,960 855,1545 870,1560 870,1775 ; 735,477.38 ccw(c771.5,477.38) U3.6@745.69,451.57 ; 885.83,1790.83 ccw(c850.23,1826.43) P6.3@900.49,1829.2 ; 890.2,1795.2 cw(c915,1770.4) P6.3@915,1805.47 ; P6.3@890.51,1828.65 cw(c820.23,1824.77) 870,1775 ; P6.3@920,1825 870,1775
GPIO13: P6.2 P8.4 U3.7 | length 2687.1
  Top Layer w10: P8.4@602.66,1612.34 ccw(c560.79,1654.21) 620,1654.21 ccw(c679.21,1654.21) P8.4@637.34,1612.34 ; P8.4@609.73,1605.27 ccw(c584.93,1630.07) 620,1630.07 ccw(c655.07,1630.07) P8.4@630.27,1605.27 ; v1@615.18,1695.18 cw(c603.56,1683.56) 620,1683.56 cw(c636.44,1683.56) v1@624.82,1695.18 ; P8.4@620,1595 v1(620,1700) ; U3.7@803.27,451.57 ccw(c777.36,477.47) 814,477.47 ; U3.7@814,432 814,874 1000,1060 v1(1000,1635) ; 814,475.8 ccw(c848.27,475.8) U3.7@824.04,451.57 ; v1@995.18,1630.18 cw(c983.56,1618.56) 1000,1618.56 cw(c1016.44,1618.56) v1@1004.82,1630.18
  Bottom Layer w10: P8.4@620,1595 P8.4@640,1595 ; v1(620,1700) 645,1725 920,1725 P6.2@1000,1820 ; v1@620,1706.81 ccw(c620,1723.25) 631.63,1711.63 ccw(c643.25,1700) v1@626.81,1700 ; 965.18,1778.65 cw(c1023.62,1729.45) P6.2@1017.09,1805.56 ; 980.73,1797.12 cw(c1020.7,1763.46) P6.2@1016.24,1815.53 ; 980.83,1797.24 ccw(c948.68,1824.32) P6.2@990.56,1827.91 ; v1@995.18,1639.82 ccw(c983.56,1651.44) 1000,1651.44 ccw(c1016.44,1651.44) v1@1004.82,1639.82 ; v1(1000,1635) P6.2@1000,1820 ; 1000,1734.57 cw(c1110.43,1734.57) P6.2@1032.34,1812.66 ; 1000,1758.71 cw(c1086.29,1758.71) P6.2@1025.27,1819.73 ; 1000,1782.86 cw(c1062.14,1782.86) P6.2@1018.2,1826.8 ; P6.2@1015,1830 P6.2@1000,1820